# Altium PCB PCB1.PcbDoc
Units mm, origin at the board's own origin, x right, y up, seen from the top; angles counter-clockwise.
Board outline 90 x 70 mm, 2 copper layers (Top Layer, Bottom Layer); 14 components, 28 nets, 82 pads, 9 vias.
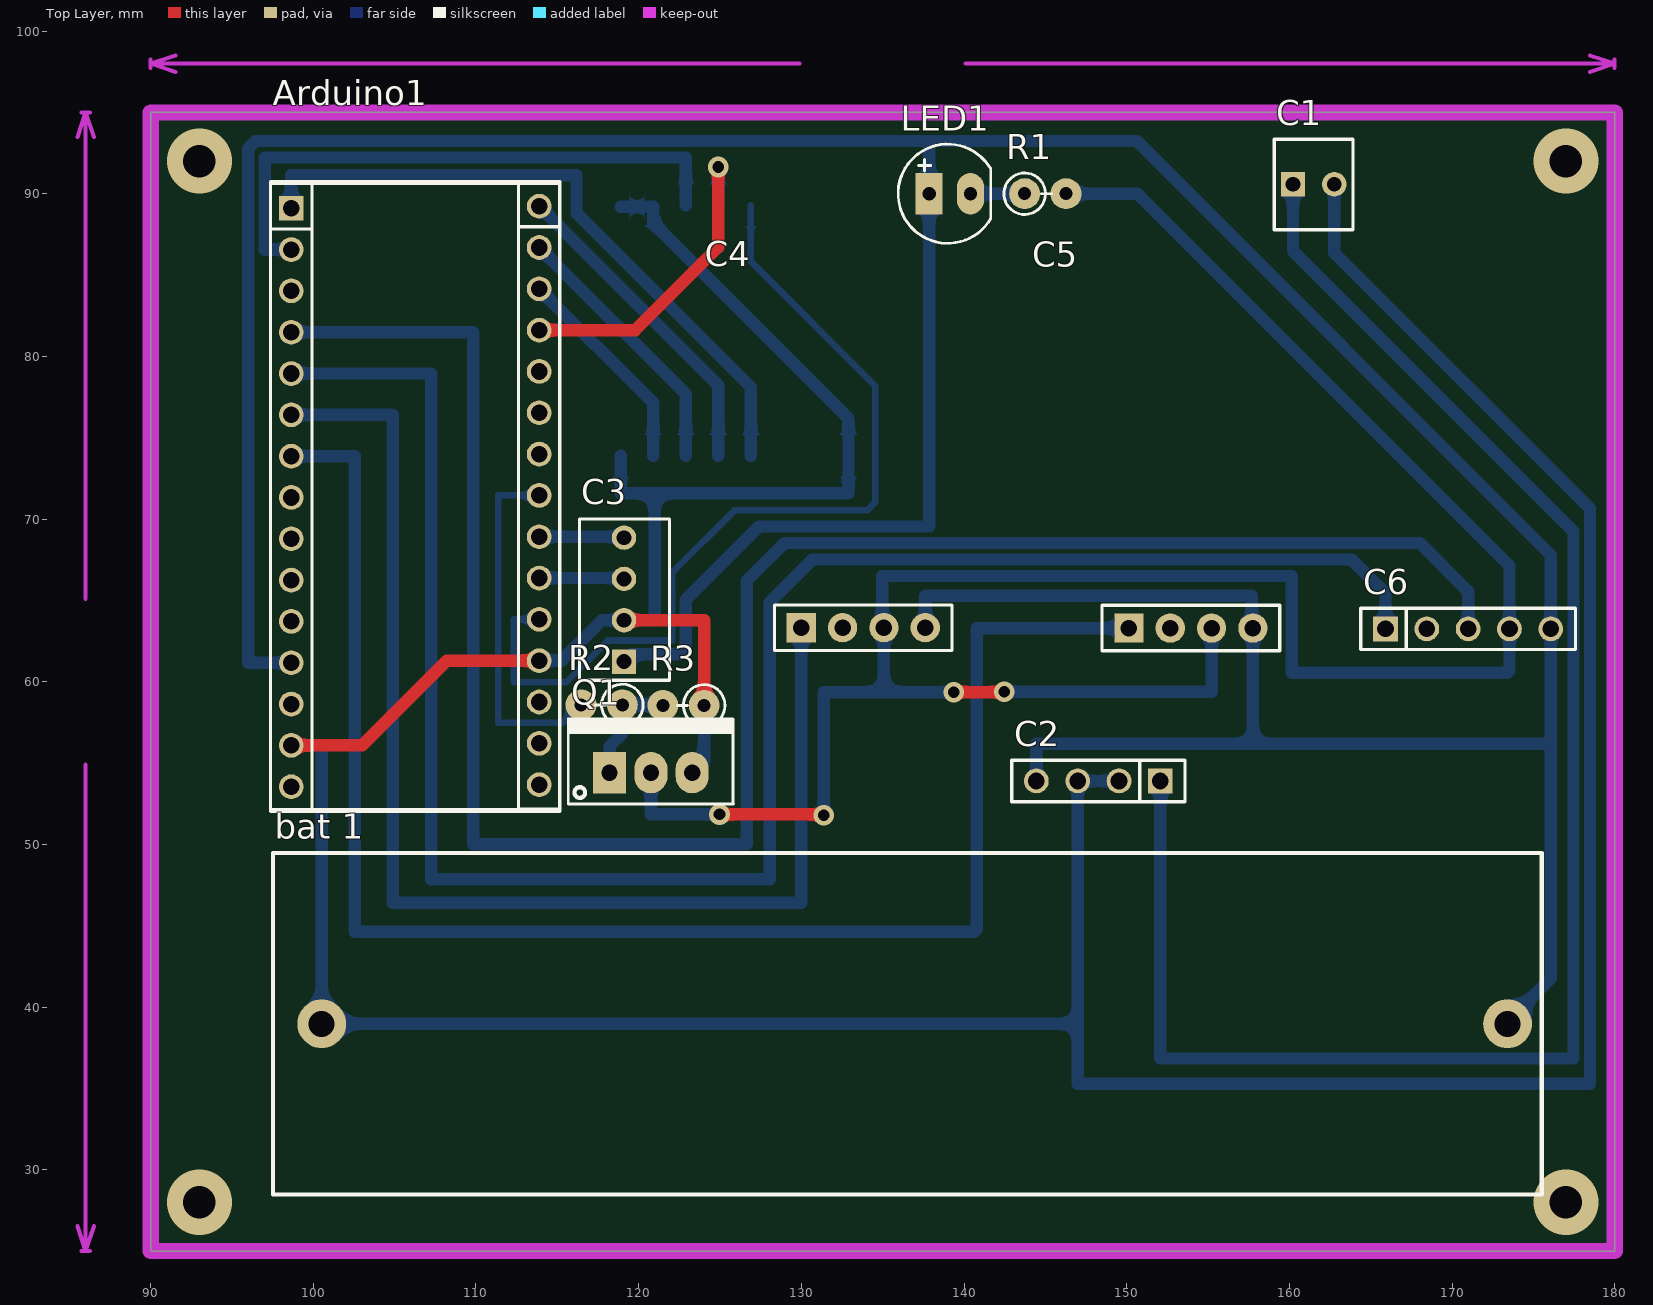
[diagram p0: Top Layer view]
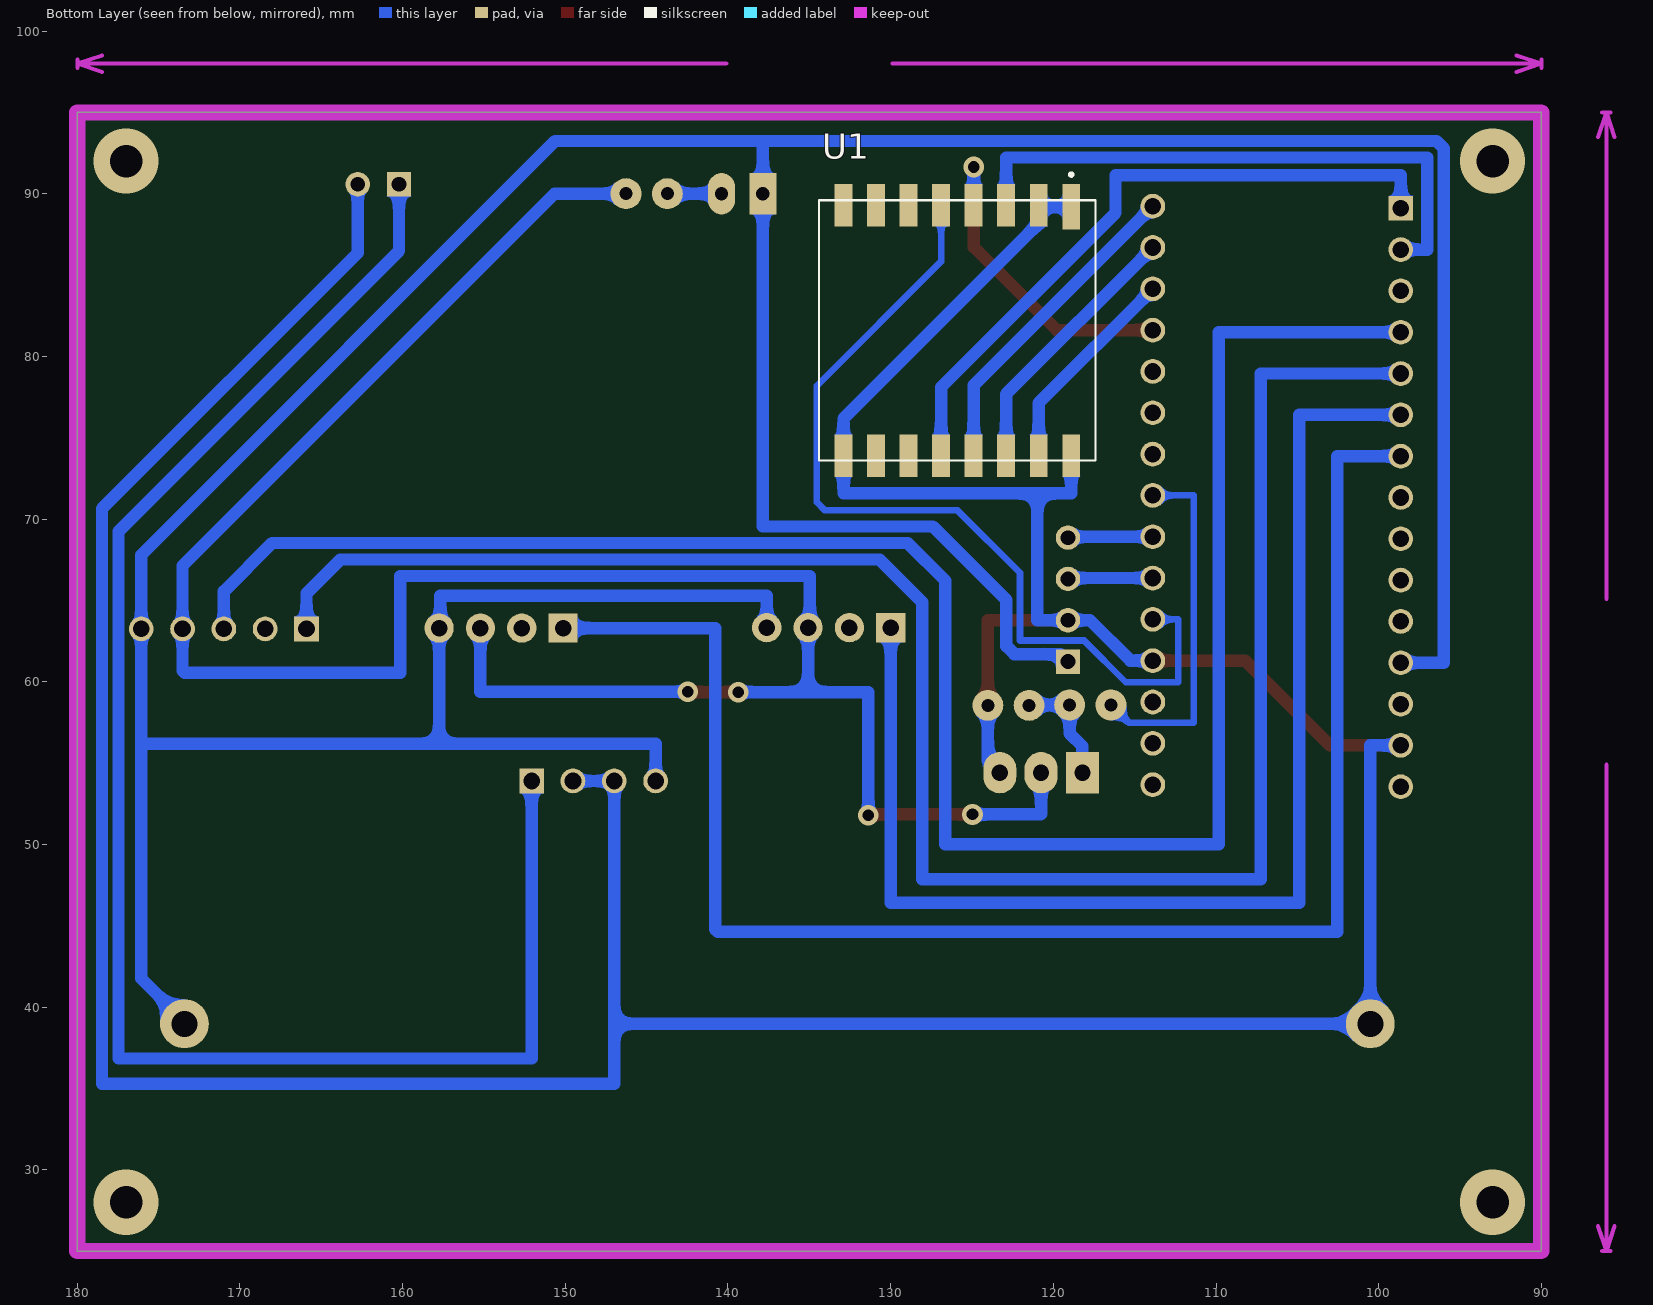
[diagram p1: Bottom Layer view, seen from below]

## Layer stack, top to bottom
Top Solder: solder mask 0.0102, Solder Resist, Dk 3.5
Top Layer: signal copper 0.0356
Dielectric 1: dielectric 0.32, FR-4, Dk 4.8
Bottom Layer: signal copper 0.0356
Bottom Solder: solder mask 0.0102, Solder Resist, Dk 3.5

## Board outline
90,25 90,95 180,95 180,25

## Design rules (kind name [scope] priority, off if disabled: settings)
Clearance [All] p1: gap=0.254
PolygonConnect [All] p1: connectstyle=Relief reliefconductorwidth=0.254 reliefentries=4 polygonreliefangle="90 Angle" airgapwidth=0.254
RoutingVias [All] p1: holewidth=0.711 width=1.27 viastyle="Through Hole" minholewidth=0.711 minwidth=1.27 maxholewidth=0.711 maxwidth=1.27
SolderMaskExpansion [All] p1: expansion=0.102
Width [InNet('D5')] p1: maxlimit=0.406 minlimit=0.406 preferedwidth=0.406
30 further rules are at their usual default settings.

## Classes and differential pairs
component class Sheet1: Arduino1 "bat 1" C2 C3 C4 C5 C6 LED1 Q1 R1 R2 R3 U1

## Components (designator, comment, footprint, x,y, rotation, side; value= is the part's Value field where it differs from the comment)
Arduino1 "Arduino Nano" "Arduino Nano" 105.5,71.2 r180 top
"bat 1" "18650" 18650 135.611,39.649 r0 top
C1 "Header2" HDR2 160.223,90.576 r0 top
C2 "JP4" JP4-C1T 152.07,53.899 r180 top
C3 "Header4" HDR4 119.101,61.239 r90 top
C4 "MQ135-MOD" MQ2-MODULE 133.807,63.322 r0 top
C5 "MQ136-MOD" MQ2-MODULE 153.949,63.297 r0 top
C6 "JP5" JP5-C1T 165.913,63.246 r0 top
LED1 "LED" LED-5-BLUE 139,90 r0 top
Q1 "TIP41C" TO220-123 118.212,54.407 r0 top
R1 "Res" RES-1/8WD 145,90 r0 top
R2 "Res" RES-1/8WD 117.729,58.572 r180 top
R3 "Res" RES-1/8WD 122.758,58.547 r180 top
U1 "RA-02_LORA" MODULE_RA-02_LORA 125.9,81.6 r270 bottom

## Footprints (in the part's own frame and the unit in brackets; to place one, negate y for a bottom-side part, rotate by r counter-clockwise, add the part's x,y. Pads: shape width x height; smd on the part's side, far side on the other; paste and mask are expansions set on the pad)
18650 [mm]
  round 3 hole 1.6: 1(37.805,-0.676) 2(-35.095,-0.676)
  silkscreen extent -38.1,-11.18 39.91,9.82, body extent -37.81,-10.98 39.84,9.82, height 21.65
"Arduino Nano" [mm]
  round 1.52 hole 1.02: 3V3(6.858,-15.367) 5V(6.858,10.033) A0(6.858,-10.287) A1(6.858,-7.747) A2(6.858,-5.207) A3(6.858,-2.667) A4(6.858,-0.127) A5(6.858,2.413) A6(6.858,4.953) A7(6.858,7.493) D2(-8.382,7.366) D3(-8.382,4.826) D4(-8.382,2.286) D5(-8.382,-0.254) D6(-8.382,-2.794) D7(-8.382,-5.334) D8(-8.382,-7.874) D9(-8.382,-10.414) D10(-8.382,-12.954) D11(-8.382,-15.494) D12(-8.382,-18.034) GND(-8.382,9.906) GND(6.858,15.113) REF(6.858,-12.827) RST(-8.382,12.446) RST(6.858,12.573) RX0(-8.382,14.986) TX1(-8.382,17.526) VIN(6.858,17.653)
  rect 1.52x1.52 hole 1.02: D13(6.858,-17.907)
  silkscreen extent -9.65,-19.55 8.13,19.18, body extent -9.65,-23.48 8.14,21.44, height 21.18
HDR2 [mm] "Connector; Header; 2 Position"
  rect 1.5x1.5 hole 0.9: 1(0,0)
  round 1.5 hole 0.9: 2(2.54,0)
  silkscreen extent -1.14,-2.79 3.68,2.77, body extent -1.27,-2.92 3.81,2.88, height 11.72
HDR4 [mm] "Connector; Header; 4 Position"
  rect 1.5x1.5 hole 0.9: 1(0,0)
  round 1.5 hole 0.9: 2(2.54,0) 3(5.08,0) 4(7.62,0)
  silkscreen extent -1.14,-2.79 8.76,2.74, body extent -1.27,-2.92 8.89,2.88, height 11.72
JP4-C1T [mm] "4 row, straight, gold plating"
  rect 1.52x1.52 hole 1.02: 1(0,0)
  round 1.52 hole 1.02: 2(2.54,0) 3(5.08,0) 4(7.62,0)
  silkscreen extent -1.52,-1.27 9.14,1.27, body extent -1.52,-1.25 9.14,1.25, height 8.51
JP5-C1T [mm] "5 row, straight, gold plating"
  rect 1.52x1.52 hole 1.02: 1(0,0)
  round 1.52 hole 1.02: 2(2.54,0) 3(5.08,0) 4(7.62,0) 5(10.16,0)
  silkscreen extent -1.52,-1.27 11.68,1.27, body extent -1.52,-1.25 11.68,1.25, height 8.51
LED-5-BLUE [mil] "LED 2 PIN, 5 ly , Only colour, pin to pin 110mil"
  rect 65x100 hole 32: 1(-45,0)
  oval 65x100 hole 32: 2(55,0)
  silkscreen extent -120,-120 104,120, body extent -113,-120 100,117, height 339
MODULE_RA-02_LORA [mm]
  rect 2.8x1.1 smd: 1(-7.6,7)
  rect 2.6x1.1 smd: 2(-7.7,5) 3(-7.7,3) 4(-7.7,1) 5(-7.7,-1) 6(-7.7,-3) 7(-7.7,-5) 8(-7.7,-7) 9(7.7,-7) 10(7.7,-5) 11(7.7,-3) 12(7.7,-1) 13(7.7,1) 14(7.7,3) 15(7.7,5) 16(7.7,7)
  silkscreen extent -9.68,-8.5 8,8.5, body extent -8,-8.5 8,8.5, height 3.2
MQ2-MODULE [mm]
  rect 1.8x1.8 hole 1.02: 1(-3.81,0)
  round 1.8 hole 1.02: 2(-1.27,0) 3(1.27,0) 4(3.81,0)
  silkscreen extent -5.46,-1.4 5.46,1.4, body extent -10,-1.25 10,21.46, height 38
RES-1/8WD [mm]
  round 1.905 hole 0.8: 1(-1.27,0) 2(1.27,0)
  silkscreen extent -2.54,-1.28 0.38,1.28, body extent -2.16,-0.92 1.55,0.92, height 7.3
TO220-123 [mil] "TO-220 - 1-2-3"
  rect 80x100 hole 39: 1(0,0)
  oval 80x100 hole 39: 2(100,0) 3(200,0)
  silkscreen extent -100,-76 300,130, body extent -95,-80 295,97, height 323

## Part data
Arduino1: "Arduino NANO"
C1: "Header IDC, 2 x 1 Pin Vertical 2.54mm Pitch (Non-Boxed, Male)"
C2 C6: "WR-PHD 2.54 mm Angled Socket Header"
C3: "Header IDC, 4 x 1 Pin Vertical 2.54mm Pitch (Non-Boxed, Male)"
C4 C5: library part MQ2-MOD
LED1: "LED Single colour Green and Red"
Q1: "NPN 2W, BCE"
U1: "Ra-02 LoRa RF M5Stack Platform Evaluation Expansion Board"

## Via types
v1: diameter 1.27, hole 0.711, Top Layer to Bottom Layer, 5 vias
v2: diameter 4, hole 2, Top Layer to Bottom Layer, 4 vias

## Nets (pads, with @x,y where several pads share a name; then routed paths per layer and width w, separated by ;. In a path a pad name is that pad's centre, name@x,y a point inside that pad or via, vN(x,y) a via of type N, cw(c..) or ccw(c..) an arc to the next point about the centre after c; other vN are vias at no path point)
3V: Arduino1.3V3 U1.3 | length 36.1
  Bottom Layer w0.762: Arduino1.3V3 97.006,86.567 97.006,92.224 122.9,92.224 U1.3
A4: Arduino1.A4
A5: Arduino1.A5
A6: Arduino1.A6
A7: Arduino1.A7
CO: Arduino1.A1 C6.1 | length 119.5
  Bottom Layer w0.762: Arduino1.A1 107.239,78.947 107.239,47.854 128.067,47.854 128.067,64.897 130.683,67.513 163.83,67.513 165.913,65.43 C6.1
D3: Arduino1.D3 C3.3 | length 5.2
  Bottom Layer w0.762: Arduino1.D3 C3.3@119.046,66.374
D4: Arduino1.D4 C3.4 | length 5.2
  Bottom Layer w0.762: Arduino1.D4 C3.4@119.046,68.914
D5: Arduino1.D5 R2.2 | length 22
  Bottom Layer w0.406: Arduino1.D5 111.379,71.454 111.379,57.48 115.367,57.48 R2.2
D6: Arduino1.D6
D7: Arduino1.D7
D8: Arduino1.D8
DI0: Arduino1.D2 U1.5 | length 56.1
  Bottom Layer w0.406: Arduino1.D2 112.319,63.834 112.319,59.971 114.386,59.971 114.388,59.969 115.545,59.969 118.11,62.535 122.047,62.535 122.047,66.7 125.882,70.536 134.036,70.536 134.544,71.044 134.544,78.181 126.9,85.825 U1.5
GND: "bat 1.2" Arduino1.GND C1.2 C2.2 C2.3 C3.2 Q1.3 R3.1 U1.1 U1.2 U1.9 U1.16 | length 268.8
  Top Layer w0.762: Arduino1.GND@98.642,56.087 103.001,56.087 108.208,61.294 Arduino1.GND@113.882,61.294 ; C3.2 124.028,63.779 R3.1
  Bottom Layer w0.762: Arduino1.GND@98.642,56.087 100.533,56.087 100.516,56.069 100.516,38.973 146.99,38.973 ; Arduino1.GND@113.882,61.294 115.269,61.294 117.754,63.779 C3.2 120.98,63.779 120.98,71.577 ; U1.16 118.9,71.577 120.98,71.577 ; U1.1 120.904,89.2 120.904,88.176 132.9,76.18 U1.9 132.9,71.577 120.98,71.577 ; Q1.3 124.028,55.143 R3.1 ; C2.2 C2.3 146.99,35.281 178.484,35.281 178.484,70.639 162.763,86.36 C1.2
MISO: Arduino1.D12 U1.13 | length 19.9
  Bottom Layer w0.762: Arduino1.D12 124.9,78.216 U1.13
MOSI: Arduino1.D11 U1.14 | length 16.5
  Bottom Layer w0.762: Arduino1.D11 122.9,77.676 U1.14
NetC1_1: C1.1 C2.1 | length 103.3
  Bottom Layer w0.762: C2.1 152.07,36.838 177.468,36.838 177.468,69.242 160.223,86.487 C1.1
NetC4_3: C4.3 C5.3 C6.4 Q1.2 R1.2 | length 142.9
  Top Layer w0.762: v1(124.968,51.841) v1@131.318,51.841 ; v1(139.37,59.36) v1@142.443,59.36
  Bottom Layer w0.762: Q1.2 120.752,51.867 120.777,51.841 v1(124.968,51.841) ; v1(131.369,51.791) 131.369,59.36 135.077,59.36 ; C4.3@134.97,63.7 134.97,66.497 160.147,66.497 160.147,60.554 173.406,60.554 173.533,60.681 C6.4 173.533,67.132 150.665,90 R1.2 ; C4.3 135.077,59.36 ; v1(139.37,59.36) 135.077,59.36 ; v1(142.469,59.385) 155.219,59.385 C5.3
NetLED1_2: LED1.2 R1.1 | length 3.3
  Bottom Layer w0.762: LED1.2 R1.1
NetQ1_1: Q1.1 R2.1 R3.2 | length 7
  Bottom Layer w0.762: Q1.1 118.212,56.032 118.999,56.82 R2.1 121.463,58.572 R3.2
NH3: C6.2
NO2: Arduino1.A0 C6.3 | length 124.5
  Bottom Layer w0.762: Arduino1.A0 109.83,81.487 109.83,50.013 126.644,50.013 126.644,66.218 128.956,68.529 168.021,68.529 170.993,65.557 C6.3
NSS: Arduino1.D10 U1.15 | length 13.2
  Bottom Layer w0.762: Arduino1.D10 120.9,77.136 U1.15
O3: Arduino1.A3 C5.1 | length 99.3
  Bottom Layer w0.762: Arduino1.A3 102.54,73.867 102.54,44.628 140.64,44.628 140.792,44.78 140.792,63.297 C5.1
RS: Arduino1.D9 U1.4 | length 20.4
  Top Layer w0.762: Arduino1.D9 119.79,81.614 124.892,86.716 v1(124.892,91.643)
  Bottom Layer w0.762: U1.4@124.892,89.308 v1(124.892,91.643)
SCK: Arduino1.D13 U1.12 | length 41.2
  Bottom Layer w0.762: Arduino1.D13 98.642,91.135 116.18,91.135 116.18,88.824 126.9,78.103 U1.12
SO2: Arduino1.A2 C4.1 | length 78.3
  Bottom Layer w0.762: Arduino1.A2 104.877,76.407 104.877,46.406 129.997,46.406 C4.1
VCC: "bat 1.1" Arduino1.5V C2.4 C3.1 C4.4 C5.4 C6.5 LED1.1 | length 268.4
  Bottom Layer w0.762: Arduino1.5V 95.99,61.167 95.99,92.782 96.448,93.24 150.626,93.24 176.073,67.793 C6.5 176.073,56.261 ; C3.1 119.558,61.697 122.394,61.697 122.885,62.188 122.885,65.024 127.406,69.545 137.846,69.545 137.857,69.556 LED1.1 137.857,93.091 ; C4.4 137.617,65.278 157.683,65.278 157.683,63.373 C5.4 157.759,56.185 ; C2.4 144.45,56.185 157.759,56.185 ; C5.4@157.38,63.07 C5.4@158.01,63.7 ; 173.416,38.973 173.416,39.1 176.073,41.758 176.073,56.261 ; 157.759,56.185 175.997,56.185 176.073,56.261
pads on no net: Arduino1.REF Arduino1.RST Arduino1.RX0 Arduino1.TX1 Arduino1.VIN C4.2 C5.2 U1.6 U1.7 U1.8 U1.10 U1.11
copper on no net:
  other v2: 93,28 177,28 93,92 177,92

## Keep-outs
Keep-Out Layer:
  lines w0.254: 85.492,26.524 86,25 ; 85.492,93.476 86,95 ; 85.746,25 86.254,25 ; 85.746,95 86.254,95 ; 86,54.896 86,25 ; 86,65.104 86,95 ; 86.508,26.524 86,25 ; 86.508,93.476 86,95 ; 90,97.746 90,98.254 ; 91.524,97.492 90,98 ; 91.524,98.508 90,98 ; 129.896,98 90,98 ; 140.104,98 180,98 ; 178.476,97.492 180,98 ; 178.476,98.508 180,98 ; 180,97.746 180,98.254
  lines w1: 90,25 90,95 180,95 180,25 90,25
  text "90 (mm)" at 130.15,97.086 h1.52
  text "70 (mm)" at 86.914,55.15 h1.52 r90